# KiCad board Soldered Inkplate 6 FLICK_panel.kicad_pcb (continued)
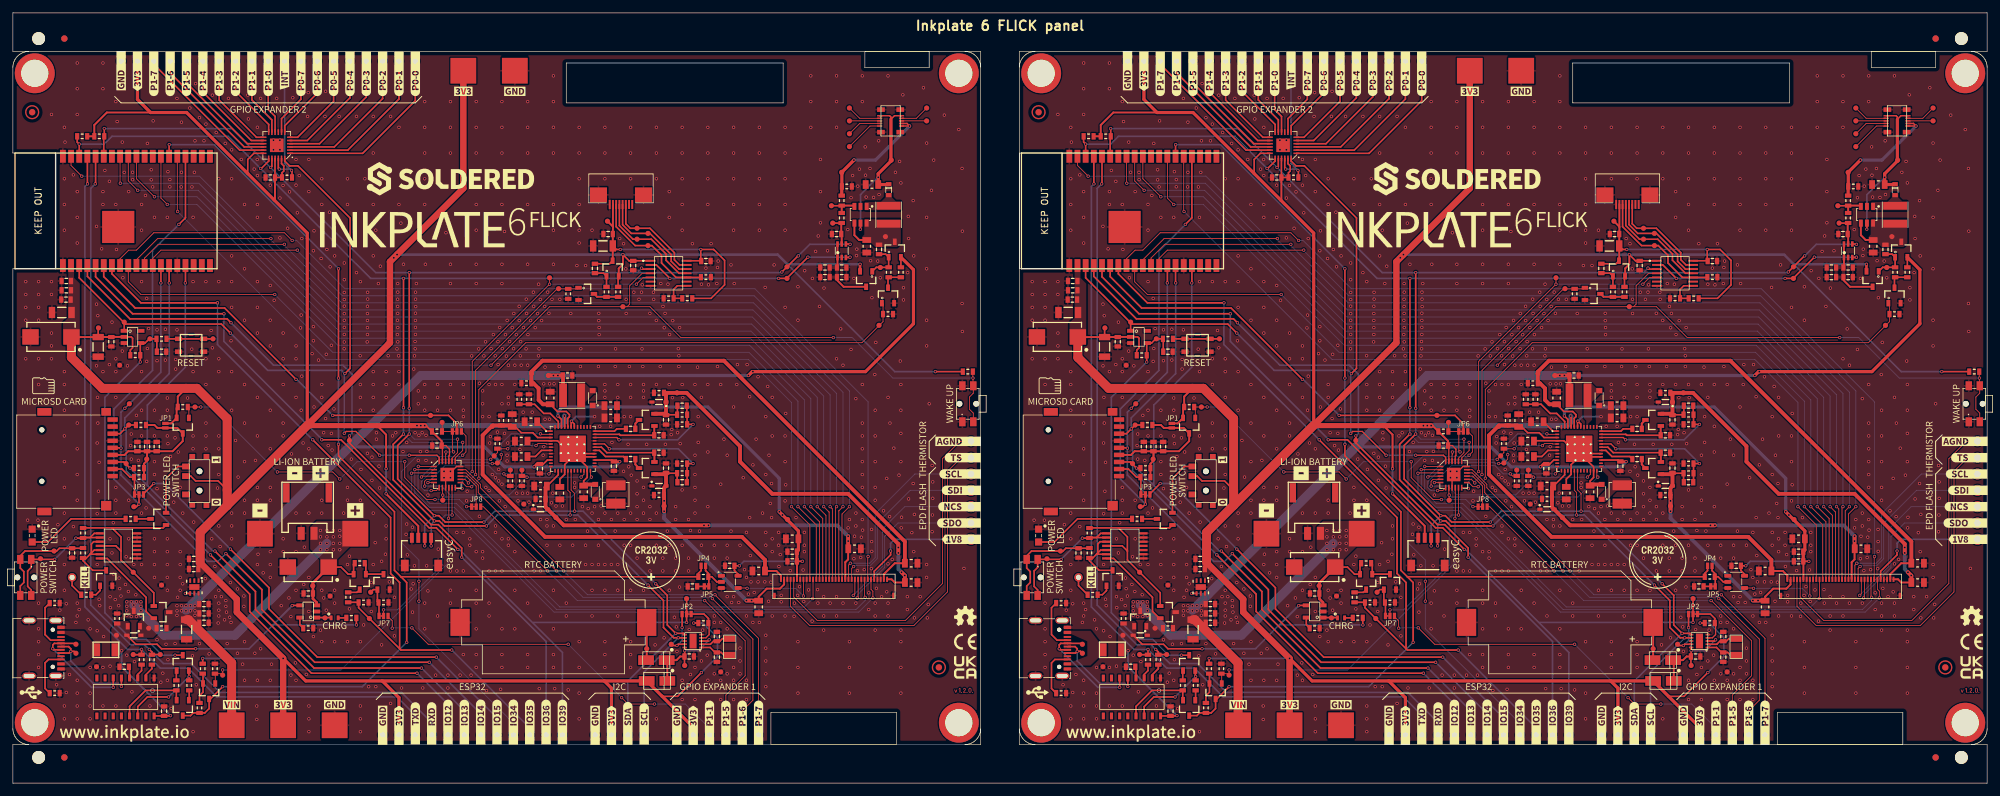
[diagram p0: board, top side]
## Footprints (pads in the part's own frame, mm; a bottom-side part is the same pattern mirrored in y, then rotated) (continued)
TXS0104EPWR
  rect 1.55x0.3 smd: 1(-2.8,1.95) 2(-2.8,1.3) 3(-2.8,0.65) 4(-2.8,0) 5(-2.8,-0.65) 6(-2.8,-1.3) 7(-2.8,-1.95) 8(2.8,-1.95) 9(2.8,-1.3) 10(2.79,-0.65) 11(2.8,0) 12(2.8,0.65) 13(2.8,1.3) 14(2.8,1.95)
U262-161N-4BVC11
  round 0.65 hole 0.65 unplated: (-2.913,-3.2) (2.862,-3.2)
  rect 0.3x1.15 smd: A1(3.337,-4.475) A4(2.537,-4.475) A5(1.237,-4.475) A6(0.237,-4.475) A7(-0.263,-4.475) A8(-1.263,-4.475) A9(-2.563,-4.475) A12(-3.338,-4.475) B1(-3.138,-4.475) B4(-2.363,-4.475) B5(-1.763,-4.475) B6(-0.763,-4.475) B7(0.737,-4.475) B8(1.737,-4.475) B9(2.337,-4.475) B12(3.112,-4.475)
  oval 1x2.1 hole 0.6x1.7: SH(-4.313,0.475) SH(-4.313,-3.675) SH(4.312,0.475) SH(4.312,-3.675)
VQFN-49
  rect 0.6x0.24 smd: 1(-3.4,2.75) 2(-3.4,2.25) 3(-3.4,1.75) 4(-3.4,1.25) 5(-3.4,0.75) 6(-3.4,0.25) 7(-3.4,-0.25) 8(-3.4,-0.75) 9(-3.4,-1.25) 10(-3.4,-1.75) 11(-3.4,-2.25) 12(-3.4,-2.75) 25(3.4,-2.75) 26(3.4,-2.25) 27(3.4,-1.75) 28(3.4,-1.25) 29(3.4,-0.75) 30(3.4,-0.25) 31(3.4,0.25) 32(3.4,0.75) 33(3.4,1.25) 34(3.4,1.75) 35(3.4,2.25) 36(3.4,2.75)
  rect 0.24x0.6 smd: 13(-2.75,-3.4) 14(-2.25,-3.4) 15(-1.75,-3.4) 16(-1.25,-3.4) 17(-0.75,-3.4) 18(-0.25,-3.4) 19(0.25,-3.4) 20(0.75,-3.4) 21(1.25,-3.4) 22(1.75,-3.4) 23(2.25,-3.4) 24(2.75,-3.4) 37(2.75,3.4) 38(2.25,3.4) 39(1.75,3.4) 40(1.25,3.4) 41(0.75,3.4) 42(0.25,3.4) 43(-0.25,3.4) 44(-0.75,3.4) 45(-1.25,3.4) 46(-1.75,3.4) 47(-2.25,3.4) 48(-2.75,3.4)
  round 0.5 hole 0.3: 49(-1.8,0.685) 49(-1.8,-0.685) 49(-0.685,1.8) 49(-0.685,0.685) 49(-0.685,-0.685) 49(-0.57,-1.78) 49(0.685,1.8) 49(0.685,0.685) 49(0.685,-0.685) 49(0.685,-1.8) 49(1.8,0.685) 49(1.8,-0.685)
  rect 4.1x4.1 smd: 49(0,0)
YTSA007A0151803B
  rect 0.7x0.25 smd: (0,1.625) (0,-1.625)
  rect 1.1x0.7 smd: 1(-1.95,1) 1(1.95,1) 2(-1.95,-1) 2(1.95,-1)

## Nets
Board_0-/POWER/VDDH_D: C20#2.2 D7.1 U1#2.35
Board_0-/POWER/VDDH_DRV: C19.1 U1#2.36
Board_0-/POWER/VDDH_FB: C16.1 R13#2.1 R14#2.2 U1#2.34
Board_0-/POWER/VEE_D: C21#2.2 D6.2 U1#2.31
Board_0-/POWER/VEE_DRV: C18.2 U1#2.30
Board_0-/POWER/VEE_FB: C17#2.1 R15.1 R16.2 U1#2.32
Board_1-/POWER/VDDH_D: C20.2 D7#2.1 U1.35
Board_1-/POWER/VDDH_DRV: C19#2.1 U1.36
Board_1-/POWER/VDDH_FB: C16#2.1 R13.1 R14.2 U1.34
Board_1-/POWER/VEE_D: C21.2 D6#2.2 U1.31
Board_1-/POWER/VEE_DRV: C18#2.2 U1.30
Board_1-/POWER/VEE_FB: C17.1 R15#2.1 R16#2.2 U1.32
Board_0-3V3: C24.2 C25.2 C34.2 C35#2.2 C42#2.2 C65.2 C66#2.2 C67#2.2 C68#2.2 C69#2.2 C70.1 C71#2.2 D11#2.1 JP1#2.2 K2.3 K3#2.1 K17.1 K41#2.1 K51#2.1 PAD2.1 PAD3#2.1 Q10.2 Q12.2 Q13.2 R3#2.2 R4#2.2 R20#2.2 R29#2.2 R40.1 R41.2 R44#2.2 R47.2 R59#2.1 R60.1 S1#2.2 TP9#2.TP TP24#2.TP TP65.TP U1#2.45 U3#2.2 U5.1 U8#2.1 U13#2.21 U13#2.23 U14#2.2 U15.18 U15.21 U15.23
Board_0-3V3-EINK: C55.2 C62.1 C63.1 C64.2 K15.6 TP35#2.TP U1#2.46 U12#2.5
Board_0-3V3_MICROSD: C38.2 C39.2 C40#2.2 JP1#2.1 K9.4 Q10.3 R42#2.2 R43#2.2 R45#2.2 TP52.TP
Board_0-3V3_RTC: C41#2.2 D11#2.2 D12#2.2 TP71#2.TP U7.3 U7.10
Board_0-3V3_TOUCH: C43#2.2 C44#2.1 C45#2.1 C53#2.2 K12#2.7 Q12.3 R49.2 TP32#2.TP U8#2.14
Board_0-/CTRL & COMS/CH_RXD: R22.1 U2#2.3
Board_0-/CTRL & COMS/CH_TXD: R23#2.1 U2#2.2
Board_0-/CTRL & COMS/DTR: Q5#2.2 R30#2.2 U2#2.13
Board_0-/CTRL & COMS/RTS: Q4.2 R31#2.2 U2#2.14
Board_0-/MCU & GPIO Expanders/GPB_6: K21.1 U13#2.16
Board_0-/MCU & GPIO Expanders/GPB_7: K22#2.1 U13#2.17
Board_0-/POWER/INT_LDO: C4.2 U1#2.7
Board_0-/POWER/TS: R1#2.2 R2.2 U1#2.47
Board_0-/POWER/VB: C11.1 C12#2.2 D4.1 U1#2.37 U1#2.42 U1#2.43
Board_0-/POWER/VB_SW: D4.2 L2#2.2 U1#2.40
Board_0-/POWER/VN: C3#2.2 C7#2.2 C9.1 D1#2.2 U1#2.4 U1#2.16 U1#2.23 U1#2.28 U1#2.29 U1#2.49
Board_0-/POWER/VN_SW: D1#2.1 L1#2.2 U1#2.25
Board_0-/POWER/VREF: C1#2.2 U1#2.1
Board_0-/SD_RTC_GPIO/X1: C36.2 U7.1 X1.1
Board_0-/SD_RTC_GPIO/X2: C37.2 U7.2 X1.2
Board_0-AGND: K13.1 K15.5
Board_0-BCK_ANODE: C51#2.2 D13.2 K11#2.9 K11#2.10 TP44.TP U10#2.5
Board_0-BCK_CATHODE: K11#2.1 K11#2.3 R54#2.2 R55.1 TP43.TP
Board_0-BCK_MOS: C52#2.1 Q13.1 Q15#2.1 R53.2 TP46.TP
Board_0-CHRG-LED: D10.2 TP50.TP U6#2.1
Board_0-CLKOUT_RTC: JP3.3 TP74#2.TP U7.9
Board_0-D+: K1#2.A6 K1#2.B6 TP18.TP U2#2.5
Board_0-D-: K1#2.A7 K1#2.B7 TP17#2.TP U2#2.6
Board_0-DAC_OUT: C49#2.2 R56#2.2 TP42#2.TP U9#2.5
Board_0-EPD_CKV: K15.28 U14#2.8
Board_0-EPD_CL: K15.8 U12#2.4
Board_0-EPD_D0: K15.13 U14#2.26
Board_0-EPD_D1: K15.14 U14#2.29
Board_0-EPD_D2: K15.15 U14#2.30
Board_0-EPD_D3: K15.16 U14#2.31
Board_0-EPD_D4: K15.17 U14#2.37
Board_0-EPD_D5: K15.18 U14#2.10
Board_0-EPD_D6: K15.19 U14#2.11
Board_0-EPD_D7: K15.20 U14#2.12
Board_0-EPD_GMODE: K15.27 U13#2.2
Board_0-EPD_LE: K15.10 U14#2.24
Board_0-EPD_OE: K15.11 U13#2.1
Board_0-EPD_SPH: K15.12 U14#2.9
Board_0-EPD_SPV: K15.29 U13#2.3
Board_0-EXP2_INT: K40#2.1 R60.2 U15.22
Board_0-FRONTLIGHT_FB: R55.2 R56#2.1 TP48.TP U10#2.3
Board_0-GND: C1#2.1 C2#2.1 C3#2.1 C4.1 C5.1 C6.1 C7#2.1 C8#2.1 C9.2 C10.1 C11.2 C12#2.1 C13#2.1 C14.1 C15.1 C20#2.1 C21#2.1 C22.1 C23.1 C24.1 C25.1 C26#2.1 C27#2.1 C28#2.1 C29#2.1 C30.1 C31.1 C32.2 C33.1 C34.1 C35#2.1 C36.1 C37.1 C38.1 C39.1 C40#2.1 C41#2.1 C42#2.1 C44#2.2 C45#2.2 C46#2.2 C47.2 C48.2 C49#2.1 C50.1 C51#2.1 C53#2.1 C54#2.1 C55.1 C56.1 C57#2.1 C58#2.1 C59.1 C60#2.1 C61#2.1 C62.2 C63.2 C64.1 C65.1 C66#2.1 C67#2.1 C68#2.1 C69#2.1 C70.2 C71#2.1 D2#2.1 D3#2.2 D5#2.2 D8#2.2 K1#2.A1 K1#2.A12 K1#2.B1 K1#2.B12 K1#2.SH K2.4 K2.5 K6#2.1 K8.2 K9.6 K10#2.- K11#2.11 K12#2.8 K12#2.9 K15.3 K15.7 K15.9 K15.26 K15.31 K15.32 K15.35 K18#2.1 K42#2.1 K52.1 L1#2.1 PAD4.1 PAD5.1 PAD7.1 Q2.2 Q8.2 Q11#2.2 Q14#2.2 R1#2.1 R2.1 R5.2 R6#2.2 R7#2.2 R8#2.2 R9#2.2 R10.1 R11.1 R12#2.1 R14#2.1 R16.1 R17.2 R18#2.2 R19.1 R24.1 R28.1 R33.1 R39#2.2 R46#2.1 R50.2 R51.1 R54#2.1 R57.2 SW1.1 SW3.1 TP13.TP TP19#2.TP TP41.TP TP51.TP TP69#2.TP TP75.TP U1#2.6 U1#2.8 U1#2.33 U1#2.41 U1#2.48 U2#2.1 U3#2.3 U4#2.1 U4#2.2 U4#2.5 U4#2.6 U4#2.7 U5.5 U6#2.2 U7.5 U8#2.7 U9#2.2 U10#2.2 U12#2.3 U13#2.9 U13#2.18 U13#2.25 U14#2.1 U14#2.15 U14#2.38 U14#2.39 U15.9 U15.25
Board_0-GPB3: Q14#2.1 R51.2 TP47#2.TP U13#2.13
Board_0-GPB4: Q11#2.1 R46#2.2 TP22.TP U13#2.14
Board_0-GPIO15: JP2#2.3 K39#2.1
Board_0-GPIO_0: JP4#2.1 Q1#2.3 Q5#2.3 R21#2.1 R58.1 U14#2.25
Board_0-GPIO_0_MOSFET: Q1#2.1 R19.2 TP14#2.TP U13#2.10
Board_0-GPIO_36: K38.1 R41.1 SW3.2 TP20.TP TP70#2.TP U8#2.4 U14#2.4
Board_0-GPIO_39: JP3.2 K37#2.1 TP73#2.TP U14#2.5
Board_0-I2C_SCL: K2.1 K4#2.1 R3#2.1 TP7.TP U1#2.17 U7.7 U8#2.2 U9#2.3 U13#2.19 U14#2.36 U15.19
Board_0-I2C_SCL_B: K12#2.3 TP28.TP U8#2.13
Board_0-I2C_SDA: K2.2 K5#2.1 R4#2.1 TP8.TP U1#2.18 U7.6 U8#2.3 U9#2.4 U13#2.20 U14#2.33 U15.20
Board_0-I2C_SDA_B: K12#2.4 TP29.TP U8#2.12
Board_0-INT: TP39.TP U1#2.2 U13#2.7
Board_0-INTB: JP6.1 R59#2.2 TP59#2.TP U13#2.22
Board_0-IO34: JP6.2 TP58#2.TP U14#2.6
Board_0-MANUAL_RST: C26#2.2 Q4.3 R26#2.2 R29#2.1 TP67.TP U3#2.4
Board_0-Net-(C18-Pad1): C18.1 D6.3
Board_0-Net-(C19-Pad2): C19.2 D7.3
Board_0-Net-(C23-Pad2): C23.2 U2#2.4
Board_0-Net-(C43-Pad1): C43#2.1 Q12.1 R48.1
Board_0-Net-(C46-Pad1): C46#2.1 C47.1 C48.1 C50.2 Q13.3 U9#2.1 U9#2.6
Board_0-Net-(C61-Pad2): C61#2.2 JP5#2.1
Board_0-Net-(D8-Pad1): D8#2.1 R32#2.2
Board_0-Net-(D10-Pad1): D10.1 R38#2.2
Board_0-Net-(D13-Pad1): D13.1 L3.1 U10#2.1
Board_0-Net-(F1-Pad2): F1#2.2 K1#2.A4 K1#2.A9 K1#2.B4 K1#2.B9
Board_0-Net-(JP2-Pad1): JP2#2.1 K9.2 R42#2.1
Board_0-Net-(JP3-Pad1): JP3.1 R44#2.1 U7.4
Board_0-Net-(JP4-Pad2): JP4#2.2 JP5#2.2 R58.2 U12#2.2
Board_0-Net-(JP6-Pad3): JP6.3 K16#2.1
Board_0-Net-(JP7-Pad2): JP7#2.2 U13#2.15
Board_0-Net-(JP7-Pad3): JP7#2.3 K27#2.1
Board_0-Net-(JP8-Pad2): JP8#2.2 U13#2.11
Board_0-Net-(JP8-Pad3): JP8#2.3 K28#2.1
Board_0-Net-(K1-PadA5): K1#2.A5 R18#2.1
Board_0-Net-(K1-PadB5): K1#2.B5 R17.1
Board_0-Net-(K7-Pad1): K7.1 R34.2
Board_0-Net-(K11-Pad2): K11#2.2 TP1.TP
Board_0-Net-(K11-Pad4): K11#2.4 TP2#2.TP
Board_0-Net-(K11-Pad5): K11#2.5 TP3.TP
Board_0-Net-(K11-Pad6): K11#2.6 TP4#2.TP
Board_0-Net-(K11-Pad7): K11#2.7 TP5#2.TP
Board_0-Net-(K11-Pad8): K11#2.8 TP6.TP
Board_0-Net-(K14-Pad1): K14.1 K15.30
Board_0-Net-(K14-Pad2): K14.2 K15.25
Board_0-Net-(K14-Pad3): K14.3 K15.24
Board_0-Net-(K14-Pad4): K14.4 K15.23
Board_0-Net-(K14-Pad5): K14.5 K15.22
Board_0-Net-(K29-Pad1): K29.1 U15.1
Board_0-Net-(K30-Pad1): K30#2.1 U15.2
Board_0-Net-(K31-Pad1): K31#2.1 U15.3
Board_0-Net-(K32-Pad1): K32.1 U15.4
Board_0-Net-(K33-Pad1): K33.1 U15.5
Board_0-Net-(K34-Pad1): K34#2.1 U15.6
Board_0-Net-(K35-Pad1): K35.1 U15.7
Board_0-Net-(K36-Pad1): K36.1 U15.8
Board_0-Net-(K43-Pad1): K43#2.1 U15.10
Board_0-Net-(K44-Pad1): K44.1 U15.11
Board_0-Net-(K45-Pad1): K45.1 U15.12
Board_0-Net-(K46-Pad1): K46.1 U15.13
Board_0-Net-(K47-Pad1): K47.1 U15.14
Board_0-Net-(K48-Pad1): K48.1 U15.15
Board_0-Net-(K49-Pad1): K49#2.1 U15.16
Board_0-Net-(K50-Pad1): K50.1 U15.17
Board_0-Net-(Q1-Pad2): Q1#2.2 R20#2.1 R21#2.2
Board_0-Net-(Q2-Pad3): Q2.3 Q3#2.1 R25#2.1
Board_0-Net-(Q3-Pad3): Q3#2.3 R27.2
Board_0-Net-(Q4-Pad1): Q4.1 R30#2.1
Board_0-Net-(Q5-Pad1): Q5#2.1 R31#2.1
Board_0-Net-(Q6-Pad2): Q6#2.2 S1#2.3
Board_0-Net-(Q6-Pad3): Q6#2.3 R32#2.1
Board_0-Net-(Q8-Pad1): Q8.1 R34.1
Board_0-Net-(Q8-Pad3): Q8.3 R37#2.2 U4#2.10 U4#2.12 U4#2.13
Board_0-Net-(Q11-Pad3): Q11#2.3 R47.1 R48.2
Board_0-Net-(Q14-Pad3): Q14#2.3 R52#2.1 R53.1
Board_0-Net-(R39-Pad1): R39#2.1 U6#2.5
Board_0-Net-(R49-Pad1): R49.1 R50.1 U8#2.8
Board_0-PWR-SW-A: R35.1 SW2#2.1 TP62#2.TP U4#2.8 U4#2.9
Board_0-PWR-SW-B: C31.2 R37#2.1 SW2#2.2 TP63.TP
Board_0-PWR_GOOD: TP40.TP U1#2.24 U13#2.8
Board_0-PWRUP: R7#2.1 TP36#2.TP U1#2.22 U13#2.5
Board_0-RST: TP66#2.TP U3#2.1 U13#2.24 U14#2.3 U15.24
Board_0-RST-SW: R26#2.1 SW1.2 TP68.TP
Board_0-RTC-BATT: D12#2.1 K10#2.+ TP72#2.TP
Board_0-RXD: K23#2.1 R23#2.2 TP15.TP U14#2.34
Board_0-SD_ENABLE: JP7#2.1 Q10.1 R40.2 TP53#2.TP
Board_0-SPI_CS: JP2#2.2 TP54#2.TP U14#2.23
Board_0-SPI_MISO: K9.7 K25.1 R45#2.1 TP57#2.TP U14#2.14
Board_0-SPI_MOSI: K9.3 K26.1 R43#2.1 TP55#2.TP U14#2.16
Board_0-SPI_SCK: K9.5 K24#2.1 TP56.TP U14#2.13
Board_0-SW_IN: D9.2 Q7.2 Q9.2 R36.1 TP12.TP U4#2.14
Board_0-SW_OUT_D: Q6#2.1 Q9.1 R35.2 TP64#2.TP U4#2.11
Board_0-TOUCH_INT_B: K12#2.5 TP30.TP U8#2.11
Board_0-TOUCH_RESET: TP21#2.TP U8#2.5 U13#2.12
Board_0-TOUCH_RESET_B: K12#2.6 R57.1 TP31.TP U8#2.10
Board_0-TS: K13.2 K15.4
Board_0-TXD: K20#2.1 R22.2 TP16.TP U14#2.35
Board_0-unconnected-(K1-PadA8): K1#2.A8
Board_0-unconnected-(K1-PadB8): K1#2.B8
Board_0-unconnected-(K9-Pad1): K9.1
Board_0-unconnected-(K9-Pad8): K9.8
Board_0-unconnected-(K12-Pad1): K12#2.1
Board_0-unconnected-(K12-Pad2): K12#2.2
Board_0-unconnected-(S1-Pad1): S1#2.1
Board_0-unconnected-(U2-Pad9): U2#2.9
Board_0-unconnected-(U2-Pad10): U2#2.10
Board_0-unconnected-(U2-Pad11): U2#2.11
Board_0-unconnected-(U2-Pad12): U2#2.12
Board_0-unconnected-(U2-Pad15): U2#2.15
Board_0-unconnected-(U3-Pad5): U3#2.5
Board_0-unconnected-(U4-Pad3): U4#2.3
Board_0-unconnected-(U4-Pad4): U4#2.4
Board_0-unconnected-(U5-Pad3): U5.3
Board_0-unconnected-(U7-Pad8): U7.8
Board_0-unconnected-(U8-Pad6): U8#2.6
Board_0-unconnected-(U8-Pad9): U8#2.9
Board_0-unconnected-(U12-Pad1): U12#2.1
Board_0-unconnected-(U14-Pad17): U14#2.17
Board_0-unconnected-(U14-Pad18): U14#2.18
Board_0-unconnected-(U14-Pad19): U14#2.19
Board_0-unconnected-(U14-Pad20): U14#2.20
Board_0-unconnected-(U14-Pad21): U14#2.21
Board_0-unconnected-(U14-Pad22): U14#2.22
Board_0-V_BAT: K19.1 R27.1 R28.2 TP61#2.TP U14#2.7
Board_0-V_BAT_MOS: JP8#2.1 Q2.1 R24.2 TP60#2.TP
Board_0-VBAT: C32.1 C33.2 K8.1 PAD6#2.1 Q3#2.2 Q7.3 R25#2.2 TP49#2.TP U6#2.3
Board_0-VCOM: C6.2 C58#2.2 D3#2.1 K15.21 R11.2 TP34#2.TP U1#2.14
Board_0-VCOM_CTRL: R6#2.1 TP38.TP U1#2.12 U13#2.6
Board_0-VDDH: C14.2 C16.2 C60#2.2 D2#2.2 D7.2 K15.34 R10.2 R13#2.2 TP33.TP
Board_0-VEE: C15.2 C17#2.2 C57#2.2 D5#2.1 D6.1 K15.2 R12#2.2 R15.2 TP27.TP
Board_0-VIN: C5.2 C8#2.2 C10.2 C27#2.2 C28#2.2 C29#2.2 C30.2 L2#2.1 PAD1.1 Q9.3 Q15#2.2 R36.2 R52#2.2 TP10.TP TP23#2.TP U1#2.10 U1#2.27 U5.4 U5.6
Board_0-VIN_BCK: C52#2.2 C54#2.2 L3.2 Q15#2.3 TP45#2.TP U10#2.4 U10#2.6
Board_0-VNEG: C2#2.2 C56.2 K15.1 R8#2.1 TP25.TP U1#2.3
Board_0-VPOS: C13#2.2 C59.2 K15.33 R9#2.1 TP26.TP U1#2.44
Board_0-VUSB: C22.2 D9.1 F1#2.1 Q7.1 R33.2 R38#2.1 TP11.TP U2#2.16 U6#2.4
Board_0-WAKEUP: R5.1 TP37#2.TP U1#2.5 U13#2.4
Board_1-3V3: C24#2.2 C25#2.2 C34#2.2 C35.2 C42.2 C65#2.2 C66.2 C67.2 C68.2 C69.2 C70#2.1 C71.2 D11.1 JP1.2 K2#2.3 K3.1 K17#2.1 K41.1 K51.1 PAD2#2.1 PAD3.1 Q10#2.2 Q12#2.2 Q13#2.2 R3.2 R4.2 R20.2 R29.2 R40#2.1 R41#2.2 R44.2 R47#2.2 R59.1 R60#2.1 S1.2 TP9.TP TP24.TP TP65#2.TP U1.45 U3.2 U5#2.1 U8.1 U13.21 U13.23 U14.2 U15#2.18 U15#2.21 U15#2.23
Board_1-3V3-EINK: C55#2.2 C62#2.1 C63#2.1 C64#2.2 K15#2.6 TP35.TP U1.46 U12.5
Board_1-3V3_MICROSD: C38#2.2 C39#2.2 C40.2 JP1.1 K9#2.4 Q10#2.3 R42.2 R43.2 R45.2 TP52#2.TP
Board_1-3V3_RTC: C41.2 D11.2 D12.2 TP71.TP U7#2.3 U7#2.10
Board_1-3V3_TOUCH: C43.2 C44.1 C45.1 C53.2 K12.7 Q12#2.3 R49#2.2 TP32.TP U8.14
Board_1-/CTRL & COMS/CH_RXD: R22#2.1 U2.3
Board_1-/CTRL & COMS/CH_TXD: R23.1 U2.2
Board_1-/CTRL & COMS/DTR: Q5.2 R30.2 U2.13
Board_1-/CTRL & COMS/RTS: Q4#2.2 R31.2 U2.14
Board_1-/MCU & GPIO Expanders/GPB_6: K21#2.1 U13.16
Board_1-/MCU & GPIO Expanders/GPB_7: K22.1 U13.17
Board_1-/POWER/INT_LDO: C4#2.2 U1.7
Board_1-/POWER/TS: R1.2 R2#2.2 U1.47
Board_1-/POWER/VB: C11#2.1 C12.2 D4#2.1 U1.37 U1.42 U1.43
Board_1-/POWER/VB_SW: D4#2.2 L2.2 U1.40
Board_1-/POWER/VN: C3.2 C7.2 C9#2.1 D1.2 U1.4 U1.16 U1.23 U1.28 U1.29 U1.49
Board_1-/POWER/VN_SW: D1.1 L1.2 U1.25
Board_1-/POWER/VREF: C1.2 U1.1
Board_1-/SD_RTC_GPIO/X1: C36#2.2 U7#2.1 X1#2.1
Board_1-/SD_RTC_GPIO/X2: C37#2.2 U7#2.2 X1#2.2
Board_1-AGND: K13#2.1 K15#2.5
Board_1-BCK_ANODE: C51.2 D13#2.2 K11.9 K11.10 TP44#2.TP U10.5
Board_1-BCK_CATHODE: K11.1 K11.3 R54.2 R55#2.1 TP43#2.TP
Board_1-BCK_MOS: C52.1 Q13#2.1 Q15.1 R53#2.2 TP46#2.TP
Board_1-CHRG-LED: D10#2.2 TP50#2.TP U6.1
Board_1-CLKOUT_RTC: JP3#2.3 TP74.TP U7#2.9
Board_1-D+: K1.A6 K1.B6 TP18#2.TP U2.5
Board_1-D-: K1.A7 K1.B7 TP17.TP U2.6
Board_1-DAC_OUT: C49.2 R56.2 TP42.TP U9.5
Board_1-EPD_CKV: K15#2.28 U14.8
Board_1-EPD_CL: K15#2.8 U12.4
Board_1-EPD_D0: K15#2.13 U14.26
Board_1-EPD_D1: K15#2.14 U14.29
Board_1-EPD_D2: K15#2.15 U14.30
Board_1-EPD_D3: K15#2.16 U14.31
Board_1-EPD_D4: K15#2.17 U14.37
Board_1-EPD_D5: K15#2.18 U14.10
Board_1-EPD_D6: K15#2.19 U14.11
Board_1-EPD_D7: K15#2.20 U14.12
Board_1-EPD_GMODE: K15#2.27 U13.2
Board_1-EPD_LE: K15#2.10 U14.24
Board_1-EPD_OE: K15#2.11 U13.1
Board_1-EPD_SPH: K15#2.12 U14.9
Board_1-EPD_SPV: K15#2.29 U13.3
Board_1-EXP2_INT: K40.1 R60#2.2 U15#2.22
Board_1-FRONTLIGHT_FB: R55#2.2 R56.1 TP48#2.TP U10.3
Board_1-GND: C1.1 C2.1 C3.1 C4#2.1 C5#2.1 C6#2.1 C7.1 C8.1 C9#2.2 C10#2.1 C11#2.2 C12.1 C13.1 C14#2.1 C15#2.1 C20.1 C21.1 C22#2.1 C23#2.1 C24#2.1 C25#2.1 C26.1 C27.1 C28.1 C29.1 C30#2.1 C31#2.1 C32#2.2 C33#2.1 C34#2.1 C35.1 C36#2.1 C37#2.1 C38#2.1 C39#2.1 C40.1 C41.1 C42.1 C44.2 C45.2 C46.2 C47#2.2 C48#2.2 C49.1 C50#2.1 C51.1 C53.1 C54.1 C55#2.1 C56#2.1 C57.1 C58.1 C59#2.1 C60.1 C61.1 C62#2.2 C63#2.2 C64#2.1 C65#2.1 C66.1 C67.1 C68.1 C69.1 C70#2.2 C71.1 D2.1 D3.2 D5.2 D8.2 K1.A1 K1.A12 K1.B1 K1.B12 K1.SH K2#2.4 K2#2.5 K6.1 K8#2.2 K9#2.6 K10.- K11.11 K12.8 K12.9 K15#2.3 K15#2.7 K15#2.9 K15#2.26 K15#2.31 K15#2.32 K15#2.35 K18.1 K42.1 K52#2.1 L1.1 PAD4#2.1 PAD5#2.1 PAD7#2.1 Q2#2.2 Q8#2.2 Q11.2 Q14.2 R1.1 R2#2.1 R5#2.2 R6.2 R7.2 R8.2 R9.2 R10#2.1 R11#2.1 R12.1 R14.1 R16#2.1 R17#2.2 R18.2 R19#2.1 R24#2.1 R28#2.1 R33#2.1 R39.2 R46.1 R50#2.2 R51#2.1 R54.1 R57#2.2 SW1#2.1 SW3#2.1 TP13#2.TP TP19.TP TP41#2.TP TP51#2.TP TP69.TP TP75#2.TP U1.6 U1.8 U1.33 U1.41 U1.48 U2.1 U3.3 U4.1 U4.2 U4.5 U4.6 U4.7 U5#2.5 U6.2 U7#2.5 U8.7 U9.2 U10.2 U12.3 U13.9 U13.18 U13.25 U14.1 U14.15 U14.38 U14.39 U15#2.9 U15#2.25
Board_1-GPB3: Q14.1 R51#2.2 TP47.TP U13.13
Board_1-GPB4: Q11.1 R46.2 TP22#2.TP U13.14
Board_1-GPIO15: JP2.3 K39.1
Board_1-GPIO_0: JP4.1 Q1.3 Q5.3 R21.1 R58#2.1 U14.25
Board_1-GPIO_0_MOSFET: Q1.1 R19#2.2 TP14.TP U13.10
Board_1-GPIO_36: K38#2.1 R41#2.1 SW3#2.2 TP20#2.TP TP70.TP U8.4 U14.4
Board_1-GPIO_39: JP3#2.2 K37.1 TP73.TP U14.5
Board_1-I2C_SCL: K2#2.1 K4.1 R3.1 TP7#2.TP U1.17 U7#2.7 U8.2 U9.3 U13.19 U14.36 U15#2.19
Board_1-I2C_SCL_B: K12.3 TP28#2.TP U8.13
Board_1-I2C_SDA: K2#2.2 K5.1 R4.1 TP8#2.TP U1.18 U7#2.6 U8.3 U9.4 U13.20 U14.33 U15#2.20
Board_1-I2C_SDA_B: K12.4 TP29#2.TP U8.12
Board_1-INT: TP39#2.TP U1.2 U13.7
Board_1-INTB: JP6#2.1 R59.2 TP59.TP U13.22
Board_1-IO34: JP6#2.2 TP58.TP U14.6
Board_1-MANUAL_RST: C26.2 Q4#2.3 R26.2 R29.1 TP67#2.TP U3.4
Board_1-Net-(C18-Pad1): C18#2.1 D6#2.3
Board_1-Net-(C19-Pad2): C19#2.2 D7#2.3
Board_1-Net-(C23-Pad2): C23#2.2 U2.4
Board_1-Net-(C43-Pad1): C43.1 Q12#2.1 R48#2.1
Board_1-Net-(C46-Pad1): C46.1 C47#2.1 C48#2.1 C50#2.2 Q13#2.3 U9.1 U9.6
Board_1-Net-(C61-Pad2): C61.2 JP5.1
Board_1-Net-(D8-Pad1): D8.1 R32.2
Board_1-Net-(D10-Pad1): D10#2.1 R38.2
Board_1-Net-(D13-Pad1): D13#2.1 L3#2.1 U10.1
Board_1-Net-(F1-Pad2): F1.2 K1.A4 K1.A9 K1.B4 K1.B9
Board_1-Net-(JP2-Pad1): JP2.1 K9#2.2 R42.1
Board_1-Net-(JP3-Pad1): JP3#2.1 R44.1 U7#2.4
Board_1-Net-(JP4-Pad2): JP4.2 JP5.2 R58#2.2 U12.2
Board_1-Net-(JP6-Pad3): JP6#2.3 K16.1
Board_1-Net-(JP7-Pad2): JP7.2 U13.15
Board_1-Net-(JP7-Pad3): JP7.3 K27.1
Board_1-Net-(JP8-Pad2): JP8.2 U13.11
Board_1-Net-(JP8-Pad3): JP8.3 K28.1
Board_1-Net-(K1-PadA5): K1.A5 R18.1
Board_1-Net-(K1-PadB5): K1.B5 R17#2.1
Board_1-Net-(K7-Pad1): K7#2.1 R34#2.2
Board_1-Net-(K11-Pad2): K11.2 TP1#2.TP
Board_1-Net-(K11-Pad4): K11.4 TP2.TP
Board_1-Net-(K11-Pad5): K11.5 TP3#2.TP
Board_1-Net-(K11-Pad6): K11.6 TP4.TP
Board_1-Net-(K11-Pad7): K11.7 TP5.TP
Board_1-Net-(K11-Pad8): K11.8 TP6#2.TP
Board_1-Net-(K14-Pad1): K14#2.1 K15#2.30
Board_1-Net-(K14-Pad2): K14#2.2 K15#2.25
Board_1-Net-(K14-Pad3): K14#2.3 K15#2.24
Board_1-Net-(K14-Pad4): K14#2.4 K15#2.23
Board_1-Net-(K14-Pad5): K14#2.5 K15#2.22
Board_1-Net-(K29-Pad1): K29#2.1 U15#2.1
Board_1-Net-(K30-Pad1): K30.1 U15#2.2
Board_1-Net-(K31-Pad1): K31.1 U15#2.3
Board_1-Net-(K32-Pad1): K32#2.1 U15#2.4
Board_1-Net-(K33-Pad1): K33#2.1 U15#2.5
Board_1-Net-(K34-Pad1): K34.1 U15#2.6
Board_1-Net-(K35-Pad1): K35#2.1 U15#2.7
Board_1-Net-(K36-Pad1): K36#2.1 U15#2.8
Board_1-Net-(K43-Pad1): K43.1 U15#2.10
Board_1-Net-(K44-Pad1): K44#2.1 U15#2.11
Board_1-Net-(K45-Pad1): K45#2.1 U15#2.12
Board_1-Net-(K46-Pad1): K46#2.1 U15#2.13
Board_1-Net-(K47-Pad1): K47#2.1 U15#2.14
Board_1-Net-(K48-Pad1): K48#2.1 U15#2.15
Board_1-Net-(K49-Pad1): K49.1 U15#2.16
Board_1-Net-(K50-Pad1): K50#2.1 U15#2.17
Board_1-Net-(Q1-Pad2): Q1.2 R20.1 R21.2
Board_1-Net-(Q2-Pad3): Q2#2.3 Q3.1 R25.1
Board_1-Net-(Q3-Pad3): Q3.3 R27#2.2
Board_1-Net-(Q4-Pad1): Q4#2.1 R30.1
Board_1-Net-(Q5-Pad1): Q5.1 R31.1
Board_1-Net-(Q6-Pad2): Q6.2 S1.3
Board_1-Net-(Q6-Pad3): Q6.3 R32.1
Board_1-Net-(Q8-Pad1): Q8#2.1 R34#2.1
Board_1-Net-(Q8-Pad3): Q8#2.3 R37.2 U4.10 U4.12 U4.13
Board_1-Net-(Q11-Pad3): Q11.3 R47#2.1 R48#2.2
Board_1-Net-(Q14-Pad3): Q14.3 R52.1 R53#2.1
Board_1-Net-(R39-Pad1): R39.1 U6.5
Board_1-Net-(R49-Pad1): R49#2.1 R50#2.1 U8.8
Board_1-PWR-SW-A: R35#2.1 SW2.1 TP62.TP U4.8 U4.9
Board_1-PWR-SW-B: C31#2.2 R37.1 SW2.2 TP63#2.TP
Board_1-PWR_GOOD: TP40#2.TP U1.24 U13.8
Board_1-PWRUP: R7.1 TP36.TP U1.22 U13.5
Board_1-RST: TP66.TP U3.1 U13.24 U14.3 U15#2.24
Board_1-RST-SW: R26.1 SW1#2.2 TP68#2.TP
Board_1-RTC-BATT: D12.1 K10.+ TP72.TP
Board_1-RXD: K23.1 R23.2 TP15#2.TP U14.34
Board_1-SD_ENABLE: JP7.1 Q10#2.1 R40#2.2 TP53.TP
Board_1-SPI_CS: JP2.2 TP54.TP U14.23
Board_1-SPI_MISO: K9#2.7 K25#2.1 R45.1 TP57.TP U14.14
Board_1-SPI_MOSI: K9#2.3 K26#2.1 R43.1 TP55.TP U14.16
Board_1-SPI_SCK: K9#2.5 K24.1 TP56#2.TP U14.13
Board_1-SW_IN: D9#2.2 Q7#2.2 Q9#2.2 R36#2.1 TP12#2.TP U4.14
Board_1-SW_OUT_D: Q6.1 Q9#2.1 R35#2.2 TP64.TP U4.11
Board_1-TOUCH_INT_B: K12.5 TP30#2.TP U8.11
Board_1-TOUCH_RESET: TP21.TP U8.5 U13.12
Board_1-TOUCH_RESET_B: K12.6 R57#2.1 TP31#2.TP U8.10
Board_1-TS: K13#2.2 K15#2.4
Board_1-TXD: K20.1 R22#2.2 TP16#2.TP U14.35
Board_1-unconnected-(K1-PadA8): K1.A8
Board_1-unconnected-(K1-PadB8): K1.B8
Board_1-unconnected-(K9-Pad1): K9#2.1
Board_1-unconnected-(K9-Pad8): K9#2.8
Board_1-unconnected-(K12-Pad1): K12.1
Board_1-unconnected-(K12-Pad2): K12.2
Board_1-unconnected-(S1-Pad1): S1.1
Board_1-unconnected-(U2-Pad9): U2.9
Board_1-unconnected-(U2-Pad10): U2.10
Board_1-unconnected-(U2-Pad11): U2.11
Board_1-unconnected-(U2-Pad12): U2.12
Board_1-unconnected-(U2-Pad15): U2.15
Board_1-unconnected-(U3-Pad5): U3.5
Board_1-unconnected-(U4-Pad3): U4.3
Board_1-unconnected-(U4-Pad4): U4.4
Board_1-unconnected-(U5-Pad3): U5#2.3
Board_1-unconnected-(U7-Pad8): U7#2.8
Board_1-unconnected-(U8-Pad6): U8.6
Board_1-unconnected-(U8-Pad9): U8.9
Board_1-unconnected-(U12-Pad1): U12.1
Board_1-unconnected-(U14-Pad17): U14.17
Board_1-unconnected-(U14-Pad18): U14.18
Board_1-unconnected-(U14-Pad19): U14.19
Board_1-unconnected-(U14-Pad20): U14.20
Board_1-unconnected-(U14-Pad21): U14.21
Board_1-unconnected-(U14-Pad22): U14.22
Board_1-V_BAT: K19#2.1 R27#2.1 R28#2.2 TP61.TP U14.7
Board_1-V_BAT_MOS: JP8.1 Q2#2.1 R24#2.2 TP60.TP
Board_1-VBAT: C32#2.1 C33#2.2 K8#2.1 PAD6.1 Q3.2 Q7#2.3 R25.2 TP49.TP U6.3
Board_1-VCOM: C6#2.2 C58.2 D3.1 K15#2.21 R11#2.2 TP34.TP U1.14
Board_1-VCOM_CTRL: R6.1 TP38#2.TP U1.12 U13.6
Board_1-VDDH: C14#2.2 C16#2.2 C60.2 D2.2 D7#2.2 K15#2.34 R10#2.2 R13.2 TP33#2.TP
Board_1-VEE: C15#2.2 C17.2 C57.2 D5.1 D6#2.1 K15#2.2 R12.2 R15#2.2 TP27#2.TP
Board_1-VIN: C5#2.2 C8.2 C10#2.2 C27.2 C28.2 C29.2 C30#2.2 L2.1 PAD1#2.1 Q9#2.3 Q15.2 R36#2.2 R52.2 TP10#2.TP TP23.TP U1.10 U1.27 U5#2.4 U5#2.6
Board_1-VIN_BCK: C52.2 C54.2 L3#2.2 Q15.3 TP45.TP U10.4 U10.6
Board_1-VNEG: C2.2 C56#2.2 K15#2.1 R8.1 TP25#2.TP U1.3
Board_1-VPOS: C13.2 C59#2.2 K15#2.33 R9.1 TP26#2.TP U1.44
Board_1-VUSB: C22#2.2 D9#2.1 F1.1 Q7#2.1 R33#2.2 R38.1 TP11#2.TP U2.16 U6.4
Board_1-WAKEUP: R5#2.1 TP37.TP U1.5 U13.4

Pads without a net: FD1 1; FD1#2 1; FD2 1; FD2#2 1; K9 12 CD MNT; K9#2 12 CD MNT; S1 MH1 MH2 MP1 MP2 MP3 MP4; S1#2 MH1 MH2 MP1 MP2 MP3 MP4; U1 9 11 13 15 19 20 21 26 38 39; U1#2 9 11 13 15 19 20 21 26 38 39; U2 7 8; U2#2 7 8; U5 2; U5#2 2; U14 27 28 32; U14#2 27 28 32

## Via types
v1: diameter 0.5, hole 0.3, Top to Bottom, 3158 vias

## Routing (per net, layer and track width the routed paths; a pad name or vN(x,y) marks a point on that pad's centre or on a via; arc(x,y) is an arc through that point)
Board_0-/POWER/VDDH_D: length 10.8
  Top w0.254: 99.67,55.52 D7.1 ; U1#2.35 94.25,54.25 94.4,54.1 C20#2.2
  Top w0.3: C20#2.2 99.67,55.52
Board_0-/POWER/VDDH_DRV: length 4.9
  Top w0.254: 95.17,55.1 93.85,55.1 93.5,54.75 U1#2.36
Board_0-/POWER/VDDH_FB: length 20.3
  Top w0.2: U1#2.34 93.85,53.75 v1(94.2,53.4)
  Top w0.254: C16.1 104.73,57.35 R13#2.1 R14#2.2 v1(105.7,55.8)
  Bottom w0.254: v1(94.2,53.4) 103.3,53.4 v1(105.7,55.8)
Board_0-/POWER/VEE_D: length 11.1
  Top w0.254: U1#2.31 91.45,52.25 92.3,51.4 C21#2.2 99.7,51.37
  Top w0.3: D6.2 99.7,51.37
Board_0-/POWER/VEE_DRV: length 5.4
  Top w0.254: U1#2.30 91.15,51.75 92.1,50.8 94.87,50.8 C18.2
Board_0-/POWER/VEE_FB: length 20.4
  Top w0.2: U1#2.32 91.95,52.75 v1(92.7,52)
  Top w0.254: C17#2.1 104.78,46.85 R15.1 R16.2 v1(105.7,49.7)
  Bottom w0.254: v1(105.7,49.7) 103.4,52 v1(92.7,52)
Board_1-/POWER/VDDH_D: length 10.8
  Top w0.254: 256.07,55.52 D7#2.1 ; C20.2 250.8,54.1 250.65,54.25 U1.35
  Top w0.3: C20.2 256.07,55.52
Board_1-/POWER/VDDH_DRV: length 4.9
  Top w0.254: U1.36 249.9,54.75 250.25,55.1 251.57,55.1
Board_1-/POWER/VDDH_FB: length 20.3
  Top w0.2: U1.34 250.25,53.75 v1(250.6,53.4)
  Top w0.254: v1(262.1,55.8) R14.2 R13.1 261.13,57.35 C16#2.1
  Bottom w0.254: v1(250.6,53.4) 259.7,53.4 v1(262.1,55.8)
Board_1-/POWER/VEE_D: length 11.1
  Top w0.254: 256.1,51.37 C21.2 248.7,51.4 247.85,52.25 U1.31
  Top w0.3: D6#2.2 256.1,51.37
Board_1-/POWER/VEE_DRV: length 5.4
  Top w0.254: C18#2.2 251.27,50.8 248.5,50.8 247.55,51.75 U1.30
Board_1-/POWER/VEE_FB: length 20.4
  Top w0.2: v1(249.1,52) 248.35,52.75 U1.32
  Top w0.254: v1(262.1,49.7) R16#2.2 R15#2.1 261.18,46.85 C17.1
  Bottom w0.254: v1(249.1,52) 259.8,52 v1(262.1,49.7)
Board_0-3V3: length 609.6
  Top w0.2: U13#2.23 66.75,52.38 C65.2 67.3,52.5 67.85,51.95 67.85,50.97 67.75,50.87 U13#2.21
  Top w0.254: U8#2.1 96.82,81.25 96.8,81.23 ; S1#2.2 27.65,47.75 28.4,47 31.9,47 33.3,45.6 ; C24.2 13.26,69.38 13.26,70.76 TP65.TP ; U1#2.45 85.75,57.05 v1(85.7,57.1) ; U15.21 40.73,97.13 C71#2.2 R60.1 41.83,94.93 42.1,95.2 42.1,96 41.75,96.35 U15.23 ; R20#2.2 v1(29.5,19.4) ; C42#2.2 95.77,81.23 v1(94.8,82.2) ; R29#2.2 18.25,67.35 18.6,67.7 18.6,69.2 18.4,69.4 U3#2.2 ; 9.12,69.38 C70.1 ; R47.2 94.05,78.75 Q12.2 ; v1(107,17.2) 103.3,13.5 100.9,13.5 ; v1(143.35,64) R41.2 ; 36.5,94.8 36.5,97 37.45,97.95 U15.18 ; 15.32,69.4 C25.2 ; v1(105.8,24.9) R44#2.2
  Top w0.3: C24.2 9.12,69.38 ; v1(94.8,82.2) 94.8,80.7 94.15,80.05 Q12.2 ; C65.2 66.63,53.2 64.23,55.6 v1(64,55.6) ; 21.4,104.3 14.6,104.3 12.66,102.36 R4#2.2 R3#2.2 ; JP1#2.2 24.6,55.95 Q10.2 25.45,58.33 R40.1 25.63,60.13 26.9,61.4 ; U3#2.2 15.32,69.4 ; v1(58,45) 63,40 K2.3 ; C25.2 13.26,69.38 ; v1(58,48.9) 58,54.2 56.6,55.6 ; 40.73,90.57 C71#2.2
  Top w0.4: v1(131.65,80.7) Q13.2
  Top w0.5: 57.4,15.9 45.5,15.9 v1(42,19.4) ; 57.4,15.9 91.9,15.9 ; 57.4,15.9 60,13.3 K17.1 ; 91.9,15.9 D11#2.1 105.72,8.68 K41#2.1 ; 91.9,15.9 93.02,14.78 K3#2.1 ; 45.75,55.65 45.75,85.55 27,104.3 21.4,104.3 19.36,106.34 K51#2.1
  Top w0.8: 45.75,55.65 45.8,55.6 v1(64,55.6)